# Altium PCB STM32最小系统.PcbDoc (part 3 of 4)
Units mil, origin at the board's own origin, x right, y up, seen from the top; angles counter-clockwise.
Board outline 25145 x 22655 mil, 2 copper layers (Top Layer, Bottom Layer); 72 components, 145 nets, 556 pads, 0 vias.
Unrouted connection lines stored in the file: 8.
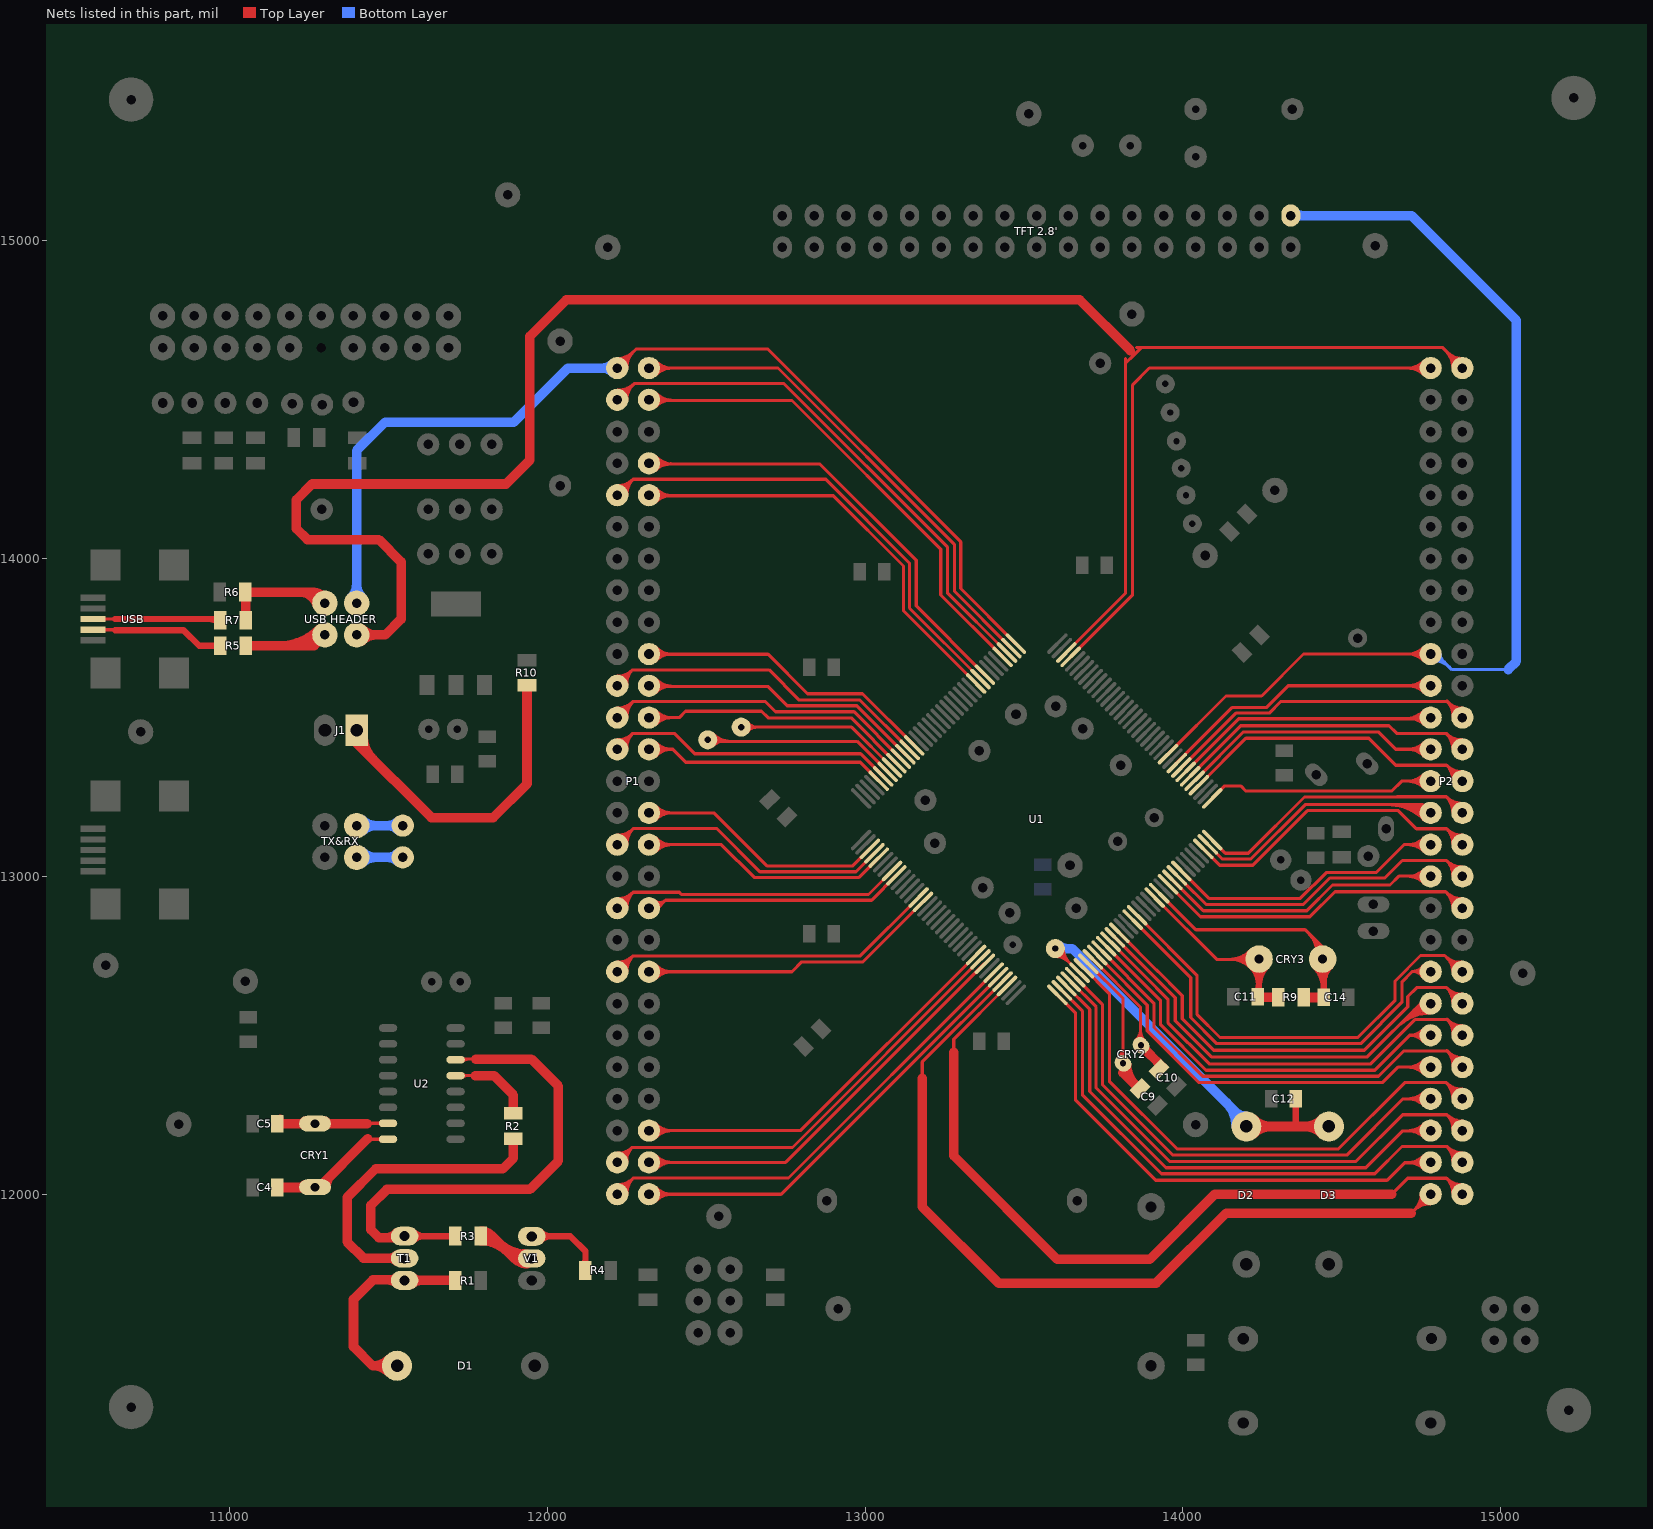
[diagram p3: the nets of this part, all layers, seen from the top]

## Nets (pads, with @x,y where several pads share a name; then routed paths per layer and width w, separated by ;. In a path a pad name is that pad's centre, name@x,y a point inside that pad or via, vN(x,y) a via of type N, cw(c..) or ccw(c..) an arc to the next point about the centre after c; other vN are vias at no path point) (continued)
NetC4_1: C4.1 CRY1.1 U2.8 | length 595.1
  Top Layer w10: 11438,12173 U2.8@11498.7,12173 ; 11464.8,12173 cw(c11464.8,12156.1) 11476.75,12168.05 ccw(c11464.8,12156.1) 11464.8,12173 ; 11464.8,12173 ccw(c11464.8,12189.9) 11476.75,12177.95 cw(c11464.8,12189.9) 11464.8,12173
  Top Layer w20: C4.1@11148,12022 C4.1@11150,12022 ; 11435,12173 11438,12173
  Top Layer w30: C4.1@11150,12021 11251,12021 11252,12020 11280,12020 11435,12175 ; 11217.44,12021 ccw(c11217.44,12048.56) 11236.93,12029.07 cw(c11217.44,12048.56) 11217.44,12021 ; CRY1.1@11304,12022 cw(c11357.11,12022) 11319.56,12059.56 ccw(c11357.11,12022) CRY1.1@11304,12022
NetC5_1: C5.1 CRY1.2 U2.7 | length 503.4
  Top Layer w10: 11437,12223 U2.7@11498.7,12223 ; 11464.8,12223 cw(c11464.8,12206.1) 11476.75,12218.05 ccw(c11464.8,12206.1) 11464.8,12223 ; 11464.8,12223 ccw(c11464.8,12239.9) 11476.75,12227.95 cw(c11464.8,12239.9) 11464.8,12223
  Top Layer w20: C5.1@11160,12225 C5.1@11160,12240 ; 11434,12222 11437,12222
  Top Layer w30: C5.1@11150,12221 11434,12221 ; 11217.44,12221 ccw(c11217.44,12248.56) 11236.93,12229.07 cw(c11217.44,12248.56) 11217.44,12221 ; CRY1.2@11301.07,12229.07 ccw(c11320.56,12248.56) 11320.56,12221 cw(c11320.56,12248.56) CRY1.2@11301.07,12229.07
NetC9_2: C9.2 CRY2.1 U1.8 | length 802.4
  Top Layer w10: U1.8@13702.86,12724.83 13812,12615.69 CRY2.1@13812,12410 ; 13811.72,12382.28 CRY2.1@13811.72,12411.72 ; CRY2.1@13795.76,12427.67 ccw(c13756.57,12466.86) 13812,12466.86 cw(c13756.57,12466.86) CRY2.1@13795.76,12427.67 ; CRY2.1@13802.84,12420.6 ccw(c13780.71,12442.72) 13812,12442.72 cw(c13780.71,12442.72) CRY2.1@13802.84,12420.6 ; 13812,12452.05 ccw(c13846.48,12452.05) 13822.1,12427.67 cw(c13846.48,12452.05) 13812,12452.05
  Top Layer w30: 13811.72,12382.28 C9.2@13867,12327 ; CRY2.1@13823.12,12408.93 ccw(c13914.99,12408.93) 13850.03,12343.97 cw(c13914.99,12408.93) CRY2.1@13823.12,12408.93
NetC10_2: C10.2 CRY2.2 U1.9 | length 660.8
  Top Layer w10: U1.9@13716.78,12738.75 13867,12588.53 13867,12471 CRY2.2@13868,12470 ; C10.2@13937,12393 C10.2@13937,12399.57 ; CRY2.2@13852.33,12484.24 ccw(c13816.92,12519.65) 13867,12519.65 cw(c13816.92,12519.65) CRY2.2@13852.33,12484.24 ; CRY2.2@13859.4,12477.16 ccw(c13841.06,12495.5) 13867,12495.5 cw(c13841.06,12495.5) CRY2.2@13859.4,12477.16 ; 13867,12512.41 ccw(c13906.84,12512.41) 13878.67,12484.24 cw(c13906.84,12512.41) 13867,12512.41
  Top Layer w30: CRY2.2@13868.28,12468.28 C10.2@13937,12399.57 ; 13918.22,12418.35 cw(c13898.53,12398.66) 13926.37,12398.66 ccw(c13898.53,12398.66) 13918.22,12418.35
NetC11_2: C11.2 CRY3.1 R9.2 U1.23 | length 1540.1
  Top Layer w10: U1.23@13911.65,12933.63 14106.27,12739 CRY3.1@14240,12739 ; C11.2@14234,12619 14235,12620 C11.2@14240,12620 ; CRY3.1@14235,12715 CRY3.1@14259,12739 ; CRY3.1@14240,12740 CRY3.1@14240,12739 ; CRY3.1@14260,12740 CRY3.1@14259,12739 ; CRY3.1@14240,12739 CRY3.1@14259,12739 ; 14145.1,12739 ccw(c14145.1,12834.9) 14212.91,12767.09 cw(c14145.1,12834.9) 14145.1,12739 ; 14149.93,12739 cw(c14149.93,12649.93) 14212.91,12712.91 ccw(c14149.93,12649.93) 14149.93,12739 ; 14169.25,12739 ccw(c14169.25,12810.75) 14219.98,12760.02 cw(c14169.25,12810.75) 14169.25,12739 ; 14174.08,12739 cw(c14174.08,12674.08) 14219.98,12719.98 ccw(c14174.08,12674.08) 14174.08,12739 ; 14193.39,12739 ccw(c14193.39,12786.61) 14227.06,12752.94 cw(c14193.39,12786.61) 14193.39,12739
  Top Layer w20: C11.2@14240,12620 CRY3.1@14240,12739 ; 14240,12659.59 cw(c14320.41,12659.59) 14263.55,12716.45 ccw(c14320.41,12659.59) 14240,12659.59 ; 14240,12659.59 ccw(c14159.59,12659.59) 14216.45,12716.45 cw(c14159.59,12659.59) 14240,12659.59 ; C11.2@14229.24,12635.72 ccw(c14203.26,12661.7) 14240,12661.7 cw(c14203.26,12661.7) C11.2@14229.24,12635.72
  Top Layer w30: C11.2@14240,12620 R9.2@14300,12620
NetC12_2: C12.2 D2.2 D3.2 pad.2@13599,12773 U1.6 | length 2568.6
  Top Layer w10: pad.2@13599,12773 U1.6@13675.02,12697 ; D2.2@14195,12211 14197,12213 D2.2@14200,12213 ; C12.2@14355,12298 C12.2@14356,12297 ; D3.2@14461,12210 D3.2@14461,12254 ; pad.2@13599,12748 cw(c13599,12687.61) 13641.7,12730.31 ccw(c13599,12687.61) pad.2@13599,12748 ; pad.2@13599,12758 cw(c13599,12721.75) 13624.63,12747.38 ccw(c13599,12721.75) pad.2@13599,12758 ; pad.2@13614,12773 ccw(c13650.18,12773) 13624.6,12747.42 cw(c13650.18,12773) pad.2@13614,12773 ; pad.2@13624,12773 ccw(c13684.32,12773) 13641.67,12730.35 cw(c13684.32,12773) pad.2@13624,12773
  Top Layer w20: 14356,12213 C12.2@14356,12297 ; C12.2@14349.24,12286.28 cw(c14332.92,12269.95) 14356,12269.95 ccw(c14332.92,12269.95) C12.2@14349.24,12286.28 ; 14356,12269.53 cw(c14379.68,12269.53) 14362.94,12286.28 ccw(c14379.68,12269.53) 14356,12269.53
  Top Layer w30: D2.2@14200,12213 D3.2@14460,12213 ; 14277.84,12213 cw(c14277.84,12290.84) 14222.8,12235.8 ccw(c14277.84,12290.84) 14277.84,12213 ; 14277.84,12213 ccw(c14277.84,12135.16) 14222.8,12190.2 cw(c14277.84,12135.16) 14277.84,12213 ; 14382.16,12213 cw(c14382.16,12135.16) 14437.2,12190.2 ccw(c14382.16,12135.16) 14382.16,12213 ; 14382.16,12213 ccw(c14382.16,12290.84) 14437.2,12235.8 cw(c14382.16,12290.84) 14382.16,12213
  Bottom Layer w20: D2.2@14199,12211 D2.2@14199,12226
  Bottom Layer w30: pad.2@13599,12773 13652,12773 D2.2@14199,12226 ; 13635.21,12773 cw(c13635.21,12809.21) 13609.61,12783.61 ccw(c13635.21,12809.21) 13635.21,12773 ; 13635.21,12773 ccw(c13635.21,12736.79) 13609.61,12762.39 cw(c13635.21,12736.79) 13635.21,12773 ; 14136.47,12288.53 cw(c14060.94,12213) 14167.76,12213 ccw(c14060.94,12213) 14136.47,12288.53 ; 14165.44,12259.56 ccw(c14200,12294.12) 14200,12245.24 cw(c14200,12294.12) 14165.44,12259.56
NetC14_2: C14.2 CRY3.2 R9.1 U1.24 | length 1588.5
  Top Layer w10: U1.24@13925.57,12947.55 14041.11,12832 14385,12832 14440,12777 CRY3.2@14440,12740 ; CRY3.2@14443.91,12723.91 CRY3.2@14460,12740 ; CRY3.2@14465,12740 CRY3.2@14465,12752 ; 14395.04,12821.96 cw(c14328.24,12755.15) 14421.86,12742.46 ccw(c14328.24,12755.15) 14395.04,12821.96 ; 14409.31,12807.69 cw(c14353.37,12751.74) 14431.77,12741.12 ccw(c14353.37,12751.74) 14409.31,12807.69 ; 14423.58,12793.42 cw(c14378.5,12748.34) 14441.68,12739.77 ccw(c14378.5,12748.34) 14423.58,12793.42
  Top Layer w20: C14.2@14443.91,12619 CRY3.2@14443.91,12723.91 ; 14443.91,12650.26 cw(c14420.53,12650.26) 14437.06,12633.72 ccw(c14420.53,12650.26) 14443.91,12650.26 ; 14443.91,12650.26 ccw(c14467.29,12650.26) 14450.76,12633.72 cw(c14467.29,12650.26) 14443.91,12650.26 ; CRY3.2@14416.45,12716.45 cw(c14350.14,12650.14) 14443.91,12650.14 ccw(c14350.14,12650.14) CRY3.2@14416.45,12716.45 ; 14443.91,12669.04 cw(c14510.96,12669.04) 14463.55,12716.45 ccw(c14510.96,12669.04) 14443.91,12669.04
  Top Layer w30: R9.1@14380,12619 C14.2@14443.91,12619
NetD1_2: D1.2 R1.2 T1.3 | length 1112.4
  Top Layer w30: D1.2@11520,11460 11450,11460 ; T1.3@11551,11728.63 R1.2@11706.63,11728.63 ; T1.3@11551,11730 11451.37,11730 11390,11668.63 11390,11520 11450,11460 ; 11450,11460 cw(c11450,11384.19) 11504.02,11437.38 ccw(c11450,11384.19) 11450,11460 ; 11450,11460 ccw(c11450,11535.81) 11504.02,11482.62 cw(c11450,11535.81) 11450,11460 ; 11600.41,11728.63 cw(c11600.41,11764.65) 11574.94,11739.18 ccw(c11600.41,11764.65) 11600.41,11728.63 ; 11600.41,11728.63 ccw(c11600.41,11692.61) 11574.94,11718.08 cw(c11600.41,11692.61) 11600.41,11728.63 ; 11498.28,11730 cw(c11498.28,11689.3) 11527.06,11718.08 ccw(c11498.28,11689.3) 11498.28,11730 ; 11504.9,11730 ccw(c11504.9,11761.35) 11527.06,11739.18 cw(c11504.9,11761.35) 11504.9,11730
NetJ1_1: J1.1 R10.2 | length 1199.3
  Top Layer w20: J1.1@11400,13430 J1.1@11400,13460 ; 11935,13439 11936,13440
  Top Layer w30: J1.1@11400,13430 11400,13420 11635,13185 11830,13185 11936,13291 11936,13440 R10.2@11936,13601 ; J1.1@11420,13445 ccw(c11528.64,13445) 11451.82,13368.18 cw(c11528.64,13445) J1.1@11420,13445
NetR2_1: R2.1 U2.13 | length 325.4
  Top Layer w10: U2.13@11711.3,12373 11773,12373 ; 11745.2,12373 cw(c11745.2,12389.9) 11733.25,12377.95 ccw(c11745.2,12389.9) 11745.2,12373 ; 11745.2,12373 ccw(c11745.2,12356.1) 11733.25,12368.05 cw(c11745.2,12356.1) 11745.2,12373
  Top Layer w20: 11833,12373 11835.5,12370.5 ; R2.1@11893,12257 R2.1@11898,12262
  Top Layer w30: 11773,12373 11833,12373 ; 11835,12370 11893,12312 11893,12257 R2.1@11893,12254
NetR2_2: R2.2 T1.2 | length 1094.9
  Top Layer w20: T1.2@11552,11799 T1.2@11553,11798 ; R2.2@11884,12165 R2.2@11893,12174
  Top Layer w30: T1.2@11552,11799 11421,11799 11370,11850 11370,11990 11460,12080 11860,12080 11893,12113 R2.2@11893,12174 ; 11501.89,11799 cw(c11501.89,11763.96) 11526.66,11788.74 ccw(c11501.89,11763.96) 11501.89,11799 ; 11505.19,11799 ccw(c11505.19,11829.36) 11526.66,11807.89 cw(c11505.19,11829.36) 11505.19,11799
NetR3_1: R3.1 T1.1 U2.14 | length 1958.4
  Top Layer w10: U2.14@11705,12425 11770,12425 ; U2.14@11733.25,12418.05 cw(c11750.03,12401.27) 11750.03,12425 ccw(c11750.03,12401.27) U2.14@11733.25,12418.05 ; U2.14@11733.25,12427.95 ccw(c11740.37,12435.07) 11740.37,12425 cw(c11740.37,12435.07) U2.14@11733.25,12427.95
  Top Layer w20: T1.1@11551,11868 11705,11868 R3.1@11707,11866 ; T1.1@11553,11863 T1.1@11554,11864 ; 11770,12425 11775,12425 ; 11611.92,11868 cw(c11611.92,11915.14) 11578.59,11881.81 ccw(c11611.92,11915.14) 11611.92,11868 ; 11611.92,11868 ccw(c11611.92,11820.86) 11578.59,11854.19 cw(c11611.92,11820.86) 11611.92,11868 ; 11687.62,11868 cw(c11687.62,11844.62) 11704.15,11861.15 ccw(c11687.62,11844.62) 11687.62,11868 ; 11687.62,11868 ccw(c11687.62,11891.38) 11704.15,11874.85 cw(c11687.62,11891.38) 11687.62,11868
  Top Layer w30: T1.1@11553,11863 11470,11863 11445,11888 11445,11965 11495,12015 11945,12015 12035,12105 12035,12340 11950,12425 11775,12425 ; 11490.08,11863 ccw(c11490.08,11915.14) 11526.95,11878.27 cw(c11490.08,11915.14) 11490.08,11863
NetR3_2: R3.2 V1.2 | length 963.6
  Top Layer w20: R3.2@11794,11870 R3.2@11800,11870 ; V1.2@11951,11797.68 11896.32,11797.68 ; 11896.32,11797.68 cw(c11896.32,11763.99) 11922.07,11785.72 ccw(c11896.32,11763.99) 11896.32,11797.68 ; 11896.32,11797.68 ccw(c11896.32,11831.38) 11922.07,11809.65 cw(c11896.32,11831.38) 11896.32,11797.68
  Top Layer w30: R3.2@11795,11865 11800,11870 11824,11870 11896.32,11797.68 ; R3.2@11791,11853.47 cw(c11791,11733.9) 11875.55,11818.45 ccw(c11791,11733.9) R3.2@11791,11853.47 ; R3.2@11791,11883.47 cw(c11791,11836.33) 11824.34,11869.66 ccw(c11791,11836.33) R3.2@11791,11883.47 ; R3.2@11791.52,11873.19 cw(c11797.68,11818.53) 11836.58,11857.42 ccw(c11797.68,11818.53) R3.2@11791.52,11873.19 ; 11844.97,11849.03 ccw(c11936.24,11940.3) 11936.24,11811.23 cw(c11936.24,11940.3) 11844.97,11849.03 ; 11896.18,11797.82 ccw(c11936.24,11837.88) 11936.24,11781.23 cw(c11936.24,11837.88) 11896.18,11797.82
NetR4_2: R4.2 V1.3 | length 478.2
  Top Layer w20: V1.3@11951,11867.37 12072.63,11867.37 12120,11820 R4.2@12120,11760 ; 12012.48,11867.37 cw(c12012.48,11915.46) 11978.47,11881.46 ccw(c12012.48,11915.46) 12012.48,11867.37 ; 12012.48,11867.37 ccw(c12012.48,11819.28) 11978.47,11853.28 cw(c12012.48,11819.28) 12012.48,11867.37 ; 12120,11793.22 cw(c12096.62,11793.22) 12113.15,11776.69 ccw(c12096.62,11793.22) 12120,11793.22 ; 12120,11793.22 ccw(c12143.38,11793.22) 12126.85,11776.69 cw(c12143.38,11793.22) 12120,11793.22
  Top Layer w30: R4.2@12120,11755 R4.2@12120,11760
NetR5_1: R5.1 USB.2 | length 531.5
  Top Layer w10: USB.2@10570,13776.54 10640,13776.54 ; 10611.22,13776.54 cw(c10611.22,13788.23) 10602.95,13779.96 ccw(c10611.22,13788.23) 10611.22,13776.54 ; 10611.22,13776.54 ccw(c10611.22,13764.84) 10602.95,13773.11 cw(c10611.22,13764.84) 10611.22,13776.54
  Top Layer w20: 10640,13775 10855,13775 10904,13726 R5.1@10971,13726 ; 10947.62,13726 cw(c10947.62,13702.62) 10964.15,13719.15 ccw(c10947.62,13702.62) 10947.62,13726 ; 10947.62,13726 ccw(c10947.62,13749.38) 10964.15,13732.85 cw(c10947.62,13749.38) 10947.62,13726
NetR5_2: "USB HEADER.4" R5.2 | length 720.6
  Top Layer w30: R5.2@11051,13726 11140,13726 ; 11157,13726 11140,13726 ; 11300,13760 11266,13726 11140,13726 ; 11157.56,13726 ccw(c11157.56,13902.44) 11282.32,13777.68 cw(c11157.56,13902.44) 11157.56,13726 ; 11229.99,13726 ccw(c11229.99,13830.01) 11303.54,13756.46 cw(c11229.99,13830.01) 11229.99,13726
NetR6_2: "USB HEADER.3" R6.2 R7.2 | length 633.2
  Top Layer w30: R6.2@11049,13895 11220,13895 ; R6.2@11050,13894 11051,13893 R7.2@11051,13806 ; 11229,13895 11220,13895 ; 11300,13860 11265,13895 11220,13895 ; 11220,13895 cw(c11220,13836.67) 11276,13853 ccw(c11220,13836.67) 11220,13895 ; 11260,13895 cw(c11260,13848.34) 11304.8,13861.4 ccw(c11260,13848.34) 11260,13895
NetR7_1: R7.1 USB.3 | length 493.4
  Top Layer w10: USB.3@10570,13810 10640,13810 ; R7.1@10968,13810 R7.1@10969,13809 ; 10611.22,13810 cw(c10611.22,13821.69) 10602.95,13813.42 ccw(c10611.22,13821.69) 10611.22,13810 ; 10611.22,13810 ccw(c10611.22,13798.31) 10602.95,13806.58 cw(c10611.22,13798.31) 10611.22,13810
  Top Layer w20: 10640,13810 10960,13810 R7.1@10965,13815 ; 10937.96,13810 cw(c10937.96,13772.96) 10964.15,13799.15 ccw(c10937.96,13772.96) 10937.96,13810
PA0: P2.23 U1.34 | length 1319.2
  Top Layer w10: U1.34@14064.76,13086.74 14116.5,13035 14220,13035 14392,13207 14678,13207 14735,13150 14830,13150 ; P2.23@14881,13099 P2.23@14880,13100 14830,13150 ; 14830,13150 cw(c14781.69,13101.69) 14850,13100.51 ccw(c14781.69,13101.69) 14830,13150 ; 14830,13150 ccw(c14878.31,13198.31) 14879.49,13130 cw(c14878.31,13198.31) 14830,13150 ; 14846.67,13133.33 cw(c14814.46,13101.12) 14860,13100.34 ccw(c14814.46,13101.12) 14846.67,13133.33 ; 14846.67,13133.33 ccw(c14878.88,13165.54) 14879.66,13120 cw(c14878.88,13165.54) 14846.67,13133.33
PA1: P2.26 U1.35 | length 1654.1
  Top Layer w10: U1.35@14103,13076 14124,13055 14214,13055 14385,13226 14754,13226 P2.26@14780,13200 ; P2.26@14780,13200 ccw(c14717.23,13137.23) 14717.23,13226 cw(c14717.23,13137.23) P2.26@14780,13200 ; 14644.8,13226 cw(c14644.8,13064.8) 14758.79,13178.79 ccw(c14644.8,13064.8) 14644.8,13226 ; 14668.95,13226 cw(c14668.95,13088.95) 14765.86,13185.86 ccw(c14668.95,13088.95) 14668.95,13226 ; 14693.09,13226 cw(c14693.09,13113.09) 14772.93,13192.93 ccw(c14693.09,13113.09) 14693.09,13226 ; 14741.37,13226 cw(c14741.37,13161.37) 14787.07,13207.07 ccw(c14741.37,13161.37) 14741.37,13226
PA2: P2.25 U1.36 | length 1277.3
  Top Layer w10: U1.36@14092.6,13114.58 14134.18,13073 14206,13073 14383,13250 14674,13250 14675,13251 14829,13251 ; P2.25@14880,13199 P2.25@14880,13200 14829,13251 ; 14829,13251 cw(c14778.31,13200.3) 14850,13200.09 ccw(c14778.31,13200.3) 14829,13251 ; 14829,13251 ccw(c14879.7,13301.69) 14879.91,13230 cw(c14879.7,13301.69) 14829,13251 ; 14846,13234 cw(c14812.21,13200.2) 14860,13200.06 ccw(c14812.21,13200.2) 14846,13234 ; 14846,13234 ccw(c14879.8,13267.79) 14879.94,13220 cw(c14879.8,13267.79) 14846,13234
PA3: P2.28 U1.37 | length 1123.5
  Top Layer w10: U1.37@14092.6,13245.42 14132.18,13285 14182,13285 14198,13269 14658,13269 14689,13300 P2.28@14801,13300 ; 14707.57,13300 cw(c14707.57,13227.57) 14758.79,13278.79 ccw(c14707.57,13227.57) 14707.57,13300 ; 14707.57,13300 ccw(c14707.57,13372.43) 14758.79,13321.21 cw(c14707.57,13372.43) 14707.57,13300 ; 14731.72,13300 cw(c14731.72,13251.72) 14765.86,13285.86 ccw(c14731.72,13251.72) 14731.72,13300 ; 14731.72,13300 ccw(c14731.72,13348.28) 14765.86,13314.14 cw(c14731.72,13348.28) 14731.72,13300
PA4: P2.27 U1.40 | length 1332.3
  Top Layer w10: U1.40@14050.84,13287.18 14198.66,13435 14585,13435 14670,13350 14830,13350 ; P2.27@14900,13299 14881,13299 P2.27@14880,13300 14830,13350 ; 14830,13350 cw(c14781.69,13301.69) 14850,13300.51 ccw(c14781.69,13301.69) 14830,13350 ; 14830,13350 ccw(c14878.31,13398.31) 14879.49,13330 cw(c14878.31,13398.31) 14830,13350 ; 14846.67,13333.33 cw(c14814.46,13301.12) 14860,13300.34 ccw(c14814.46,13301.12) 14846.67,13333.33 ; 14846.67,13333.33 ccw(c14878.88,13365.54) 14879.66,13320 cw(c14878.88,13365.54) 14846.67,13333.33
PA5: P2.30 U1.41 | length 1222.7
  Top Layer w10: U1.41@14042,13305 14042,13306 14191,13455 14615,13455 14670,13400 P2.30@14780,13400 P2.30@14800,13400 ; 14707.57,13400 cw(c14707.57,13327.57) 14758.79,13378.79 ccw(c14707.57,13327.57) 14707.57,13400 ; 14707.57,13400 ccw(c14707.57,13472.43) 14758.79,13421.21 cw(c14707.57,13472.43) 14707.57,13400 ; 14731.72,13400 cw(c14731.72,13351.72) 14765.86,13385.86 ccw(c14731.72,13351.72) 14731.72,13400 ; 14731.72,13400 ccw(c14731.72,13448.28) 14765.86,13414.14 cw(c14731.72,13448.28) 14731.72,13400
PA6: P2.29 U1.42 | length 1339.5
  Top Layer w10: U1.42@14023,13315.02 14172.99,13465 14182,13474 14649,13474 14673,13450 14829,13450 14880,13399 P2.29@14900,13399 ; 14829.5,13449.5 cw(c14780.02,13400.01) 14850,13400 ccw(c14780.02,13400.01) 14829.5,13449.5 ; 14829.5,13449.5 ccw(c14876.71,13496.7) 14878.98,13429.98 cw(c14876.71,13496.7) 14829.5,13449.5 ; 14845.78,13433.22 ccw(c14877.78,13465.21) 14879.32,13419.99 cw(c14877.78,13465.21) 14845.78,13433.22 ; 14846.57,13432.43 cw(c14814.15,13400.01) 14860,13400 ccw(c14814.15,13400.01) 14846.57,13432.43
PA7: P2.32 U1.43 | length 1242
  Top Layer w10: U1.43@14009.08,13328.94 14176.15,13496 14797,13496 P2.32@14801,13500 ; 14697.92,13496 ccw(c14697.92,13582.08) 14758.79,13521.21 cw(c14697.92,13582.08) 14697.92,13496 ; 14717.23,13496 cw(c14717.23,13437.23) 14758.79,13478.79 ccw(c14717.23,13437.23) 14717.23,13496 ; 14722.06,13496 ccw(c14722.06,13557.94) 14765.86,13514.14 cw(c14722.06,13557.94) 14722.06,13496 ; 14741.37,13496 cw(c14741.37,13461.37) 14765.86,13485.86 ccw(c14741.37,13461.37) 14741.37,13496
PA8: P1.31 U1.100 | length 1234.3
  Top Layer w10: P1.31@12320,13499 12321,13500 12415,13500 12435,13520 12674,13520 12695,13499 12956.53,13499 U1.100@13098.75,13356.78 ; 12368.28,13500 cw(c12368.28,13548.28) 12334.14,13514.14 ccw(c12368.28,13548.28) 12368.28,13500 ; 12368.28,13500 ccw(c12368.28,13451.72) 12334.14,13485.86 cw(c12368.28,13451.72) 12368.28,13500 ; 12392.43,13500 cw(c12392.43,13572.43) 12341.21,13521.21 ccw(c12392.43,13572.43) 12392.43,13500 ; 12392.43,13500 ccw(c12392.43,13427.57) 12341.21,13478.79 cw(c12392.43,13427.57) 12392.43,13500
PA9: pad.4@11545,13160 pad.6@12610,13470 TX&RX.3 U1.101 | length 1157.9
  Top Layer w10: pad.6@12610,13470 12660,13470 ; 12655,13470 12660,13470 ; U1.101@13084.83,13342.86 12957.69,13470 12660,13470 ; 12660,13470 cw(c12660,13507.5) 12630,13485 ccw(c12660,13507.5) 12660,13470 ; 12660,13470 ccw(c12660,13432.5) 12630,13455 cw(c12660,13432.5) 12660,13470
  Bottom Layer w30: TX&RX.3@11400,13160 pad.4@11545,13160 ; 11460.36,13160 cw(c11460.36,13220.36) 11417.68,13177.68 ccw(c11460.36,13220.36) 11460.36,13160 ; 11460.36,13160 ccw(c11460.36,13099.64) 11417.68,13142.32 cw(c11460.36,13099.64) 11460.36,13160 ; 11496.72,13160 cw(c11496.72,13111.72) 11530.86,13145.86 ccw(c11496.72,13111.72) 11496.72,13160 ; 11496.72,13160 ccw(c11496.72,13208.28) 11530.86,13174.14 cw(c11496.72,13208.28) 11496.72,13160
PA10: pad.5@11545,13060 pad.8@12505,13430 TX&RX.1 U1.102 | length 1370.3
  Top Layer w10: pad.8@12505,13425 12974.85,13425 U1.102@13070.92,13328.94 ; 12553.28,13425 cw(c12553.28,13478.28) 12515.61,13440.61 ccw(c12553.28,13478.28) 12553.28,13425 ; 12553.28,13425 ccw(c12553.28,13381.72) 12522.68,13412.32 cw(c12553.28,13381.72) 12553.28,13425 ; pad.8@12522.68,13447.68 ccw(c12577.43,13502.43) 12577.43,13425 cw(c12577.43,13502.43) pad.8@12522.68,13447.68
  Bottom Layer w30: TX&RX.1@11400,13060 pad.5@11545,13060 pad.5@11550,13060 ; 11460.36,13060 cw(c11460.36,13120.36) 11417.68,13077.68 ccw(c11460.36,13120.36) 11460.36,13060 ; 11460.36,13060 ccw(c11460.36,12999.64) 11417.68,13042.32 cw(c11460.36,12999.64) 11460.36,13060 ; 11496.72,13060 cw(c11496.72,13011.72) 11530.86,13045.86 ccw(c11496.72,13011.72) 11496.72,13060 ; 11496.72,13060 ccw(c11496.72,13108.28) 11530.86,13074.14 cw(c11496.72,13108.28) 11496.72,13060
PA11: P1.30 U1.103 | length 1274.1
  Top Layer w10: P1.30@12220,13400 12220,13401 12269,13450 ; U1.103@13057,13315.02 12986.01,13386.01 12463.99,13386.01 12400,13450 12269,13450 ; 12269,13450 cw(c12220.71,13498.28) 12220.22,13430 ccw(c12220.71,13498.28) 12269,13450 ; 12269,13450 ccw(c12315.06,13403.94) 12249.97,13401.24 cw(c12315.06,13403.94) 12269,13450 ; P1.30@12220.15,13420 ccw(c12220.47,13464.73) 12252.1,13433.1 cw(c12220.47,13464.73) P1.30@12220.15,13420 ; P1.30@12239.98,13400.83 cw(c12284.1,13402.66) 12252.88,13433.88 ccw(c12284.1,13402.66) P1.30@12239.98,13400.83
PA12: P1.29 U1.104 | length 1142.3
  Top Layer w10: P1.29@12320,13399 12321,13400 12395,13400 ; 12396,13399 12435.41,13359.59 12984.59,13359.59 U1.104@13043.08,13301.1 ; 12368.28,13400 cw(c12368.28,13448.28) 12334.14,13414.14 ccw(c12368.28,13448.28) 12368.28,13400 ; 12368.28,13400 ccw(c12368.28,13351.72) 12334.14,13385.86 cw(c12368.28,13351.72) 12368.28,13400 ; 12392.43,13400 cw(c12392.43,13472.43) 12341.21,13421.21 ccw(c12392.43,13472.43) 12392.43,13400 ; 12392.43,13400 ccw(c12392.43,13327.57) 12341.21,13378.79 cw(c12392.43,13327.57) 12392.43,13400
PB1: "TFT 2.8'.34" P2.36 U1.47 | length 3952.2
  Top Layer w10: U1.47@13954,13384 13954,13386 14136,13568 14248,13568 14380,13700 P2.36@14780,13700 P2.36@14798,13700 ; 14707.57,13700 cw(c14707.57,13627.57) 14758.79,13678.79 ccw(c14707.57,13627.57) 14707.57,13700 ; 14707.57,13700 ccw(c14707.57,13772.43) 14758.79,13721.21 cw(c14707.57,13772.43) 14707.57,13700 ; 14731.72,13700 cw(c14731.72,13651.72) 14765.86,13685.86 ccw(c14731.72,13651.72) 14731.72,13700 ; 14731.72,13700 ccw(c14731.72,13748.28) 14765.86,13714.14 cw(c14731.72,13748.28) 14731.72,13700